# Allegro board parallella_layout.brd (continued)
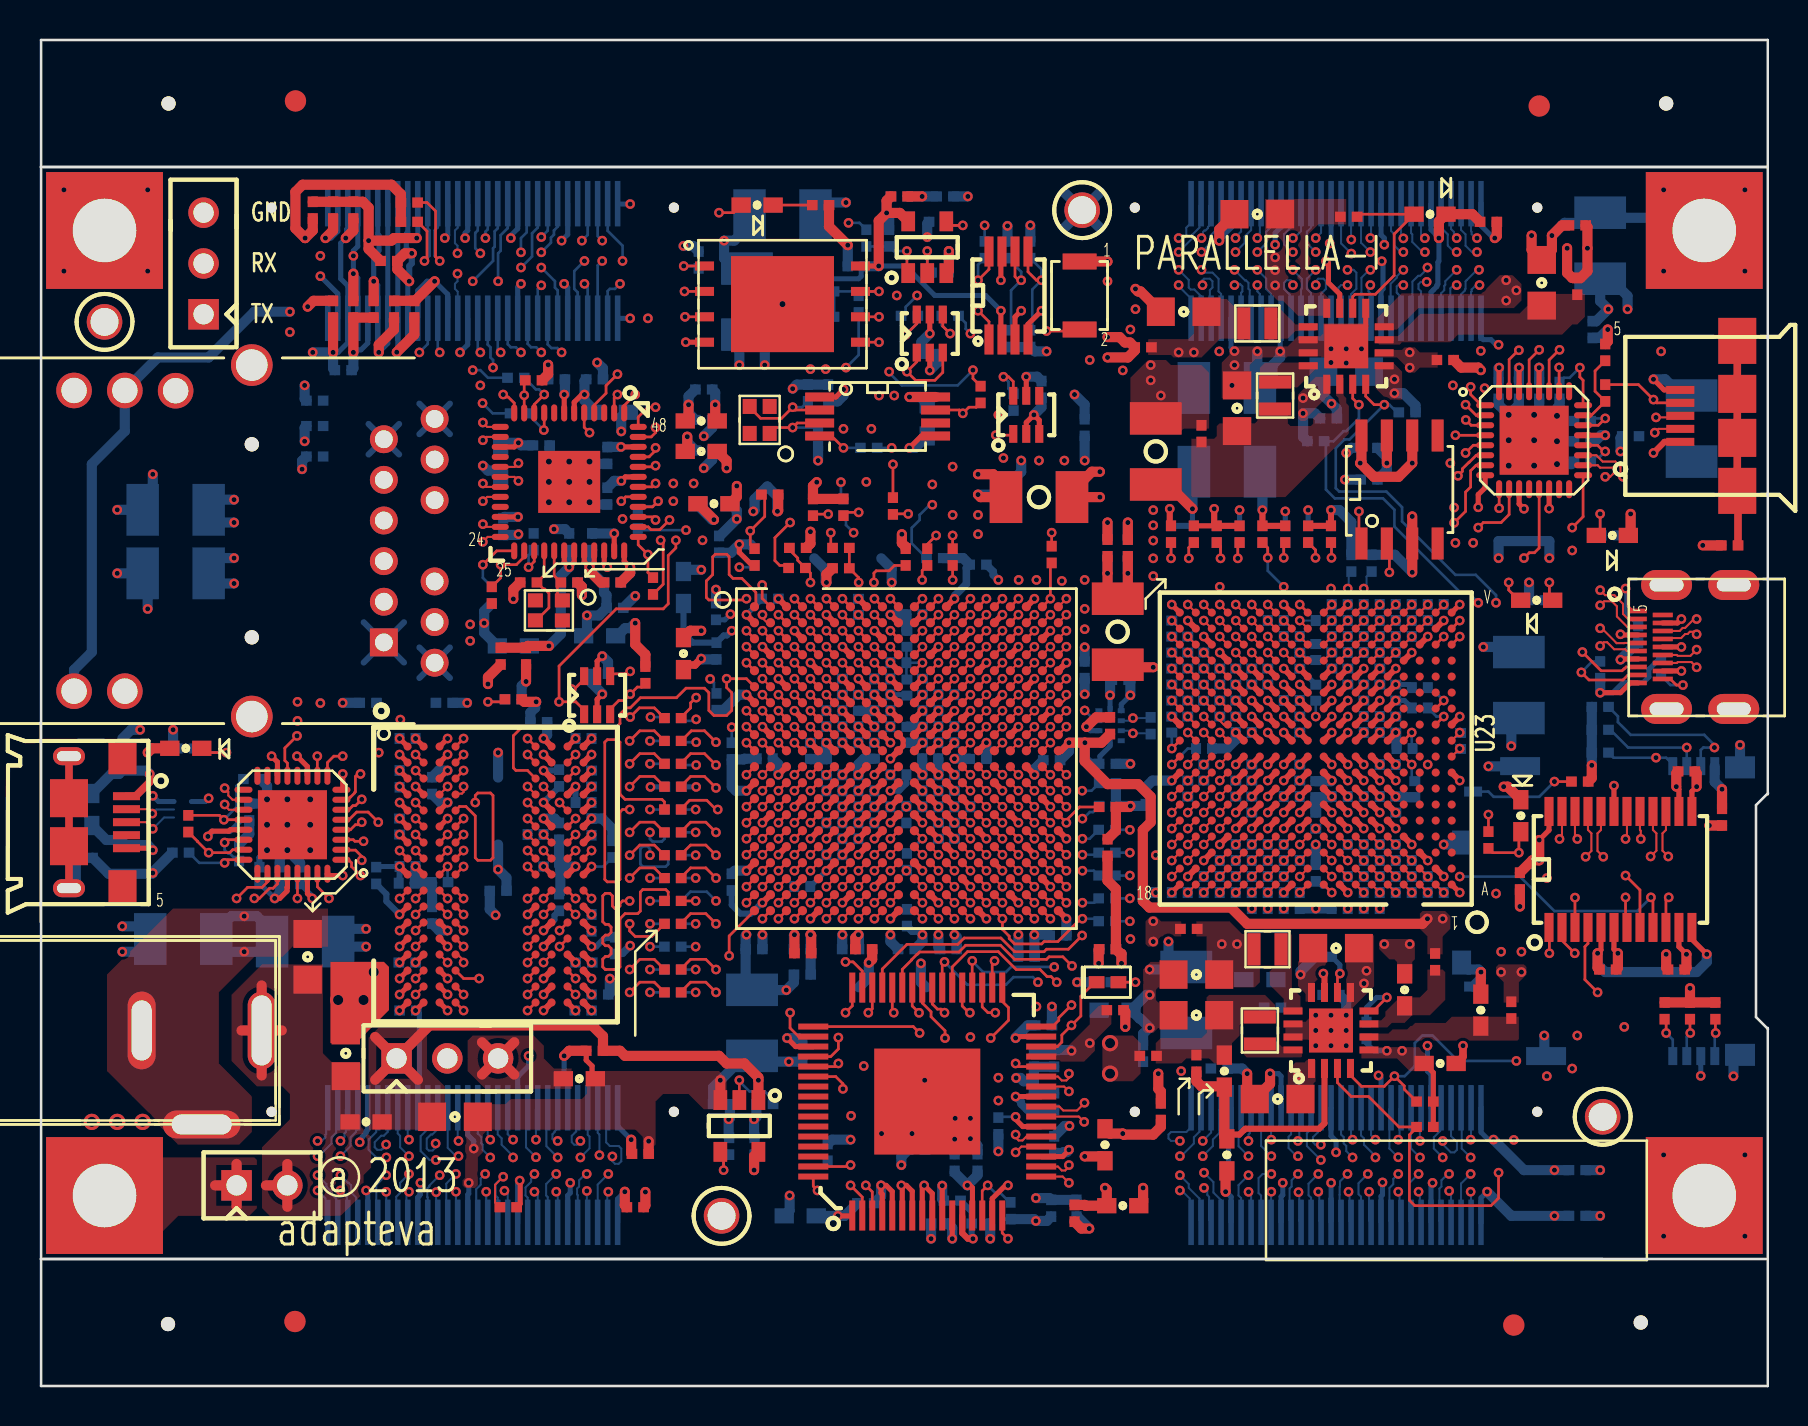
[diagram p0: board, top side]
## Routing (per net, layer and track width the routed paths; a pad name or vN(x,y) marks a point on that pad's centre or on a via; arc(x,y) is an arc through that point) (continued)
  BOTTOM w0.133: v1(29.01,55.12) 28.76,54.86 28.5,54.86 28.39,54.76 J13.3 ; v1(65.97,49.07) 65.97,48.39 65.33,47.75 65.2,47.75 64.7,47.24 R284.2 64.32,47.16 64.32,44.83 64.76,44.39 67.17,44.39 67.74,43.81 67.74,42.98 71.05,39.67 71.43,39.67 v1(71.94,39.17)
I2C_SDA: length 125.2
  TOP w0.133: U37.9 80.67,24.33 v1(80.57,24.43) ; v1(46.63,21.26) U26.36 ; U30.4 66.31,49.49 66.73,49.07 v1(67.24,49.07)
  L3_SIG w0.108: v1(50.73,20.95) 51.36,21.59 52.25,21.59 54.41,23.75 55.04,23.75 55.43,24.13 56.62,24.13 57,24.51 57,24.83 57.24,25.07 58.36,25.07 58.6,25.31 58.6,25.66 58.83,25.88 70.6,25.88 v1(71.01,25.48) ; v1(80.57,24.43) 79.81,25.2 79.81,25.78 79.17,26.42 79.17,26.8 76.38,29.59 75.62,29.59 75.32,29.89 75.32,31.07 76.47,32.22 76.47,34.58 72.82,38.23 v1(72.82,39.17)
  L5_SIG w0.108: v1(29.14,56.26) 29.9,55.5 35.11,55.5 35.61,56.01 40.95,56.01 41.38,56.44 42.34,56.44 42.53,56.25 43.23,56.25 43.47,56.01 44.25,56.01 44.76,55.5 46.41,55.5 46.66,55.75 49.2,55.75 49.58,55.37 49.58,55.12 49.84,54.86 50.85,54.86 50.98,54.74 53.65,54.74 54.28,55.37 55.04,55.37 55.43,54.99 55.43,54.61 57.33,52.7 62.28,52.7 64.57,50.42 65.89,50.42 v1(67.24,49.07)
  BOTTOM w0.133: J13.4 28.39,57.77 29.14,57.02 v1(29.14,56.26) ; v1(72.82,39.17) 72.82,39.55 71.81,40.56 70.79,40.56 68.13,43.23 68.13,43.94 67.34,44.73 64.98,44.73 64.81,44.9 64.81,46.9 65.24,47.33 65.5,47.33 v1(67.24,49.07) 67.49,49.07 67.87,48.69 R285.2 ; v1(80.57,24.43) 79.89,23.75 75.75,23.75 74.02,25.48 v1(71.01,25.48) ; v1(46.63,21.26) 46.63,21.25 47.17,20.7 48.31,20.7 48.57,20.95 v1(50.73,20.95)
JTAG_BOOT_EN: length 24.5
  L5_SIG w0.108: v1(40.31,50.93) 39.68,50.29 34.22,50.29 33.45,51.05 31.68,51.05 30.79,51.94 27.87,51.94 27.36,52.45 22.79,52.45 v1(22.02,51.69)
  BOTTOM w0.133: v1(22.02,51.69) 21.89,51.82 J13.29 ; v1(40.31,50.93) 40.95,51.56 R97.2
JTAG_TCK: length 39.9
  TOP w0.133: U2.F9 v1(41.73,35.37)
  L8_SIG w0.108: v1(41.33,45.21) 41.92,44.62 41.92,40.79 42.14,40.58 42.14,35.77 v1(41.73,35.37)
  L10_SIG w0.108: v1(41.33,45.21) 40.87,44.75 38.66,44.75 37.95,45.47 36.12,45.47 34.85,46.74 32.57,46.74 32.23,47.08 32.21,47.08 31.68,47.61 31.68,47.75 31.1,48.33 28.77,48.33 27.61,47.17 24.77,47.17 22.77,49.17 22.77,50.05 22.15,50.67 22.15,50.93 21.88,51.2 19.5,51.2 19.48,51.18 v1(18.98,51.69)
  BOTTOM w0.133: v1(18.98,51.69) 19.39,52.11 J13.39
JTAG_TDI: length 50.1
  TOP w0.133: U2.G6 v1(39.33,34.57) ; R9.1 19.36,59.18 19.79,58.75 19.79,56.47 v1(19.99,56.26)
  L5_SIG w0.108: v1(21.52,37.26) 22.41,37.26 22.91,37.77 29.59,37.77 29.61,37.75 30.39,37.75 30.8,38.17 37.1,38.17 37.34,37.93 37.34,37.61 37.57,37.37 37.92,37.37 38.14,37.15 38.14,36.01 38.37,35.77 38.69,35.77 38.93,35.53 38.93,34.97 v1(39.33,34.57)
  L8_SIG w0.108: v1(19.99,56.26) 20.25,56.01 20.25,55.12 20.5,54.86 20.5,50.16 21.25,49.42 21.25,48.26 21.77,47.74 22.72,47.74 23.17,47.29 23.17,41.76 22.64,41.24 22.64,40.91 22.66,40.89 22.66,37.71 22.21,37.26 v1(21.52,37.26)
  BOTTOM w0.133: J13.38 19.89,57.94 19.74,57.78 19.74,56.52 v1(19.99,56.26)
JTAG_TDO: length 48.2
  TOP w0.133: v1(19.23,56.26) 19.36,56.39 19.36,57.75 R10.1 ; U2.F6 v1(39.33,35.37)
  L5_SIG w0.108: v1(39.33,35.37) 39.33,35.45 38.93,35.85 38.93,37.13 38.69,37.37 38.37,37.37 38.13,37.61 38.13,37.93 37.89,38.17 37.57,38.17 37.34,38.41 37.34,38.73 37.1,38.97 34.72,38.97 34.7,38.99 34.37,38.99 34.34,38.97 31.29,38.97 31.08,39.18 30.75,39.18 30.53,38.97 29.19,38.97 28.36,38.13 22.77,38.13 22.34,37.71 21.9,37.71 v1(21.52,38.09)
  L8_SIG w0.108: v1(21.52,38.09) 21.52,41.39 21.77,41.64 22.41,41.64 22.79,42.02 22.79,46.41 22.47,46.72 21.64,46.72 21.01,47.36 21.01,49.02 19.48,50.55 19.48,54.1 19.23,54.36 v1(19.23,56.26)
  BOTTOM w0.133: J13.40 19.39,57.88 19.48,57.78 19.48,56.52 v1(19.23,56.26)
JTAG_TMS: length 45.7
  TOP w0.133: U2.J6 v1(39.33,32.97)
  L8_SIG w0.108: v1(39.33,32.97) 39.74,32.57 41.78,32.57 41.78,32.57 41.9,32.57 42.13,32.81 42.13,34.74 41.9,34.97 41.57,34.97 41.34,35.21 41.34,35.53 41.33,35.54 41.33,36.33 41.09,36.57 40.77,36.57 40.54,36.81 40.54,37.13 40.3,37.37 39.97,37.37 39.74,37.61 39.74,40.64 39.74,40.64 39.04,41.34 39.04,42.93 38.03,43.94 38.03,45.72 38.41,46.1 38.41,46.99 38.53,47.12 v1(38.53,50.85)
  L10_SIG w0.108: v1(38.53,50.85) 37.31,52.07 33.07,52.07 32.69,51.69 31.3,51.69 30.84,52.14 28.68,52.14 28.37,52.45 20.75,52.45 v1(19.99,51.69)
  BOTTOM w0.133: v1(19.99,51.69) 19.89,51.79 J13.37
MIO_VREF_501: length 3
  TOP w0.133: U2.E11 v1(44.14,36.17)
  BOTTOM w0.133: C23.1 43.34,35.35 R63.1 ; v1(44.14,36.17) R63.1 ; R63.1 43.34,36.94 R62.2
Net_63: length 0.6
  TOP w0.133: 70.61,37.08 v1(71.01,37.48)
Net_64: length 0.6
  TOP w0.133: 70.61,37.88 v1(71.01,38.28)
Net_76: length 0.6
  TOP w0.133: 69.81,37.08 v1(70.21,37.48)
Net_610: length 0.6
  TOP w0.133: 19.19,27.18 v1(18.79,27.58)
Net_611: length 0.6
  TOP w0.133: 26.39,26.38 26.39,26.38 v1(26.79,26.78)
Net_612: length 0.6
  TOP w0.133: 27.19,26.38 27.19,26.38 v1(27.59,26.78)
P0_USB_24M_REFCLK: length 56.8
  TOP w0.133: U12.26 v1(75.98,50.94)
  L3_SIG w0.108: v1(43.87,54.53) 45.01,53.39 45.01,45.72 45.39,45.34 45.77,45.34 47.42,46.99 50.09,46.99 50.98,47.88 50.98,51.56 54.16,54.74 54.16,56.52 55.68,58.04 72.95,58.04 73.59,57.4 73.59,56.01 75.62,53.98 75.62,52 75.6,51.98 75.6,51.31 v1(75.98,50.94)
  BOTTOM w0.133: R99.2 43.3,53.75 43.3,53.96 v1(43.87,54.53)
P0_USB_CLK: length 36.7
  TOP w0.133: U12.1 72.09,49.04 71.55,49.58 v1(71.55,49.96) ; U2.A11 v1(44.14,39.37)
  L5_SIG w0.108: v1(44.14,39.37) 44.14,39.37 44.57,39.8 44.57,40.75 45.52,41.71 46.98,41.71 49.47,44.2 49.47,46.55 51.18,48.26 58.9,48.26 59.62,47.55 63.49,47.55 64.19,48.25 67.86,48.25 70.16,50.55 70.97,50.55 v1(71.55,49.96)
P0_USB_CPEN: length 17.6
  TOP w0.133: U13.1 65.97,42.26 v1(65.97,43.74) ; U12.17 77.18,43.47 v1(76.63,42.93)
  L5_SIG w0.108: v1(76.63,42.93) 75.87,42.16 75.11,42.16 74.73,41.78 74.73,41.15 74.48,40.89 72.44,40.89 72.27,41.07 68.81,41.07 68.8,41.09 68.62,41.09 v1(65.97,43.74)
P0_USB_D0: length 37.9
  TOP w0.133: v1(71.31,48.31) 71.58,48.04 U12.3 ; U2.A14 v1(46.54,39.37)
  L5_SIG w0.108: v1(46.54,39.37) 46.47,39.43 46.47,40.43 46.75,40.71 47.4,40.71 47.64,40.94 48.13,40.94 50.74,43.55 50.74,43.57 51.74,44.58 51.74,45.09 52.91,46.25 53.61,46.25 53.99,46.64 58.11,46.64 58.6,46.15 64.17,46.15 65.08,47.06 68.49,47.06 69.4,46.15 69.4,45.71 70.35,44.75 71.81,44.75 72.7,45.64 72.7,48.06 72.44,48.31 v1(71.31,48.31)
P0_USB_D1: length 38.2
  TOP w0.133: v1(70.79,47.54) U12.4 ; U2.D15 v1(47.34,36.97)
  L5_SIG w0.108: v1(47.34,36.97) 47.74,37.37 48.3,37.37 48.54,37.61 48.54,37.93 48.78,38.17 49.1,38.17 49.34,38.41 49.34,39.56 49.58,39.8 49.89,39.8 50.23,40.15 50.23,40.58 50.68,41.02 51.18,41.02 52.83,42.67 53.65,42.67 53.9,42.93 53.9,43.74 55.11,44.95 64.7,44.95 64.92,44.72 66.76,44.72 68.76,42.72 71.12,42.72 v1(71.68,42.16)
  L8_SIG w0.108: v1(71.68,42.16) 71.43,42.42 71.43,45.9 70.79,46.53 v1(70.79,47.54)
P0_USB_D2: length 34.9
  TOP w0.133: v1(71.3,46.66) 71.69,47.04 U12.5 ; U2.A12 v1(44.94,39.37)
  L5_SIG w0.108: v1(44.94,39.37) 44.94,40.68 45.65,41.39 47.04,41.39 47.52,41.87 47.71,41.87 50.47,44.63 50.47,46.91 51.44,47.88 58.65,47.88 59.36,47.17 63.62,47.17 64.44,47.99 69.78,47.99 70.73,47.04 70.92,47.04 v1(71.3,46.66)
P0_USB_D3: length 39.6
  TOP w0.133: v1(70.92,45.52) 71.14,45.74 71.14,45.87 71.47,46.2 71.49,46.2 71.82,46.53 72.27,46.53 U12.6 ; U2.F12 v1(44.94,35.37)
  L5_SIG w0.108: v1(44.94,35.37) 45.34,35.77 45.34,39.78 45.25,39.87 45.25,40.61 45.76,41.13 47.16,41.13 47.48,41.45 47.74,41.45 50.84,44.55 50.84,46.64 51.69,47.5 58.4,47.5 59.04,46.85 63.74,46.85 64.57,47.68 69.52,47.68 70.65,46.55 70.7,46.55 70.94,46.32 70.94,45.99 70.92,45.97 v1(70.92,45.52)
P0_USB_D4: length 32.7
  TOP w0.133: U2.C16 v1(48.14,37.77) ; U12.7 71.83,46.04 71.55,45.77 71.55,44.96 71.3,44.7 71.3,43.74 v1(70.73,43.17)
  L5_SIG w0.108: v1(70.73,43.17) 69.65,43.17 68.89,43.93 68.06,43.93 67.06,44.93 65.03,44.93 64.7,45.26 54.92,45.26 53.34,43.69 52.25,43.69 51.87,43.31 51.87,42.21 50.93,41.27 50.04,41.27 49.35,40.58 49.35,40.07 49.08,39.8 48.69,39.8 48.54,39.65 48.54,38.38 48.28,38.12 48.28,37.92 v1(48.14,37.77)
P0_USB_D5: length 45
  TOP w0.133: U2.A10 v1(42.53,39.37) ; U12.9 v1(72.98,43.89)
  L3_SIG w0.108: v1(72.25,49.9) 72.98,49.17 v1(72.98,43.89)
  L5_SIG w0.108: v1(42.53,39.37) 44.4,41.24 44.6,41.24 45.46,42.09 46.98,42.09 48.58,43.69 48.58,46.42 50.8,48.64 59.03,48.64 59.74,47.93 63.43,47.93 64.06,48.56 67.62,48.56 70.11,51.05 71.1,51.05 v1(72.25,49.9)
P0_USB_D6: length 39
  TOP w0.133: v1(71.94,42.93) 72.19,43.18 73.08,43.18 73.48,43.58 U12.10 ; U2.E13 v1(45.74,36.17)
  L5_SIG w0.108: v1(45.74,36.17) 46.14,36.57 46.7,36.57 46.94,36.81 46.94,39.57 47.42,40.06 47.42,40.44 47.68,40.69 47.75,40.69 47.77,40.71 48.33,40.71 49.53,41.91 50.47,41.91 51.11,42.55 51.11,43.43 52.12,44.45 52.12,44.96 52.38,45.21 53.9,45.21 54.57,45.88 64.43,45.88 64.7,46.15 65.39,46.15 65.84,46.6 67.62,46.6 67.97,46.25 67.97,45.68 68.82,44.82 69.4,44.82 69.84,44.37 71.05,44.37 71.43,43.99 71.43,43.43 v1(71.94,42.93)
P0_USB_D7: length 35.4
  TOP w0.133: v1(74.22,41.4) 74.49,41.67 74.74,41.67 74.98,41.9 U12.13 ; U2.C18 v1(49.74,37.77)
  L5_SIG w0.108: v1(49.74,37.77) 49.93,37.96 49.99,37.96 50.2,38.17 50.7,38.17 50.93,38.41 50.93,38.73 51.17,38.97 51.54,38.97 51.74,39.17 51.74,40.56 52.83,41.66 54.79,41.66 55.17,42.04 55.17,43.99 55.48,44.3 64.71,44.3 64.82,44.18 66.28,44.18 68.95,41.52 72.05,41.52 72.57,42.04 73.59,42.04 v1(74.22,41.4)
P0_USB_DIR: length 46.5
  TOP w0.133: U12.31 73.48,51.33 73.95,51.8 v1(73.97,51.8) ; U2.C13 v1(45.74,37.77)
  L3_SIG w0.108: v1(73.97,51.8) 73.73,51.56 72.7,51.56 72.44,51.31 71.68,51.31 71.3,50.93 71.3,50.67 v1(70.67,50.04)
  L5_SIG w0.108: v1(45.74,37.77) 45.74,38.01 46.14,38.41 46.14,40.55 46.51,40.92 47.31,40.92 47.63,41.24 47.97,41.24 51.36,44.63 51.36,45.59 51.74,45.97 51.74,46.53 52.33,47.12 58.27,47.12 58.92,46.47 63.93,46.47 64.82,47.36 68.95,47.36 70.03,46.28 70.03,45.58 70.54,45.07 71.36,45.07 71.94,45.64 71.94,47.04 70.79,48.18 70.79,49.91 v1(70.67,50.04)
P0_USB_DN: length 8.3
  TOP w0.102: v1(79.17,45.47) 79.05,45.59 79.05,45.97 78.79,46.23 78.16,46.23 77.84,46.54 U12.19 ; J6.2 80.95,47.86 v1(80.76,47.68)
  L3_SIG w0.095: v1(79.17,45.47) 78.9,45.47 78.72,45.65 78.72,45.91 78.85,46.04 79.41,46.04 80.12,46.75 80.12,47.68 80.32,47.88 80.49,47.88 80.7,47.68 v1(80.76,47.68)
P0_USB_DP: length 8.2
  TOP w0.102: v1(80.83,48.44) 81.96,48.44 J6.3 ; v1(78.29,45.47) 78.53,45.47 78.72,45.65 78.72,45.87 78.67,45.92 78.03,45.92 77.91,46.04 U12.18
  L3_SIG w0.095: v1(80.83,48.44) 80.44,48.44 79.82,47.81 79.82,46.88 79.29,46.35 78.67,46.35 78.41,46.09 78.41,45.59 v1(78.29,45.47)
P0_USB_FLAG: length 8.9
  TOP w0.133: 67.36,42.13 67.49,42 v1(67.49,40.69) ; CR5.1 73.97,39.29 73.46,39.8 v1(73.46,40.18)
  L5_SIG w0.108: v1(73.46,40.18) 68,40.18 v1(67.49,40.69)
P0_USB_ID: length 4.1
  TOP w0.133: R85.2 79.95,50.08 v1(80.7,49.33) 80.86,49.16 J6.4
P0_USB_NXT: length 39.9
  TOP w0.133: U2.E16 v1(48.14,36.17) ; U12.2 71.83,48.54 v1(71.3,49.07)
  L3_SIG w0.108: v1(71.3,49.07) 71.81,48.56 71.81,46.35 71.6,46.15 v1(70.54,46.15)
  L5_SIG w0.108: v1(48.14,36.17) 48.54,36.57 49.1,36.57 49.34,36.81 49.34,37.93 49.58,38.17 49.9,38.17 50.14,38.41 50.14,39.6 50.6,40.06 50.6,40.39 50.98,40.77 51.44,40.77 52.83,42.16 54.28,42.16 54.86,42.74 54.86,44.19 55.3,44.63 64.7,44.63 64.89,44.44 66.54,44.44 68.81,42.16 v1(70.79,42.16)
  L8_SIG w0.108: v1(70.54,46.15) 70.33,45.95 70.33,42.62 v1(70.79,42.16)
P0_USB_STP: length 41.9
  TOP w0.133: v1(74.98,51.82) 74.48,51.31 U12.29 ; U2.C15 v1(47.34,37.77)
  L5_SIG w0.108: v1(47.34,37.77) 47.74,38.17 47.74,39.61 47.93,39.8 48.06,39.8 48.33,40.07 48.33,40.33 49.66,41.66 50.68,41.66 51.49,42.47 51.49,43.31 52.5,44.32 52.5,44.7 52.76,44.96 54.16,44.96 54.78,45.58 64.62,45.58 64.87,45.83 65.59,45.83 65.84,45.58 67.05,45.58 68.38,44.25 69.2,44.25 69.52,43.93 v1(70.73,43.93)
  L10_SIG w0.108: v1(70.73,43.93) 72.76,45.96 72.76,48.95 73.46,49.64 73.78,49.64 74.48,50.34 74.48,51.31 v1(74.98,51.82)
P0_VBUS: length 7.5
  TOP w0.305: v1(80.7,46.66) 81.25,47.21 J6.1
  TOP w0.508: U13.8 66.09,46.22 v1(66.03,46.15) 66.72,45.47 67.95,45.47 v1(68.63,46.15) U13.6
P1_USB_24M_REFCLK: length 62.9
  TOP w0.133: v1(9.83,24.38) 10.38,24.94 11.1,24.94 11.38,25.21 U17.26
  L3_SIG w0.108: v1(30.41,53.39) 30.41,51.23 29.26,50.09 28.56,50.09 27.23,48.76 24.55,48.76 22.79,46.99 22.79,41.91 22.55,41.67 22.55,39.89 21.33,38.67 21.33,38.66 20.94,38.28 20.94,37.58 20.5,37.13 19.04,37.13 17.2,35.29 12.82,35.29 12.41,34.89 12.41,31.47 10.72,29.78 10.72,25.27 v1(9.83,24.38)
  L5_SIG w0.108: v1(46.54,52.63) 46.14,53.03 41.07,53.03 41.01,52.96 32.82,52.96 32.71,53.07 31.82,53.07 31.5,53.39 v1(30.41,53.39)
  BOTTOM w0.133: v1(46.54,52.63) 46.3,52.86 46.3,53.16 R110.2
P1_USB_CLK: length 47.6
  TOP w0.133: U17.1 15.43,26.32 15.59,26.16 15.59,25.97 v1(16.03,25.53) ; U2.B12 v1(44.94,38.57)
  L8_SIG w0.108: v1(16.03,25.53) 16.88,26.38 18.15,26.38 18.38,26.61 18.38,26.94 18.15,27.17 17.71,27.17 17.33,27.56 17.33,28.83 16.94,29.21 16.94,30.66 14.02,33.58 v1(14.02,34.15)
  L10_SIG w0.108: v1(14.02,34.15) 14.43,34.56 20.53,34.56 21.96,35.99 27.61,35.99 28.26,35.34 29.76,35.34 31.78,37.37 42.94,37.37 43.74,38.17 44.47,38.17 44.68,38.38 44.74,38.38 v1(44.94,38.57)
P1_USB_D0: length 37.2
  TOP w0.133: v1(16.18,27.24) 15.75,27.24 15.67,27.32 U17.3 ; U2.F13 v1(45.74,35.37)
  L10_SIG w0.108: v1(16.18,27.24) 15.69,27.74 15.67,27.74 15.67,28.5 16.04,28.86 17.11,28.86 17.82,29.58 19.29,29.58 20.1,30.38 27.87,30.38 28.2,30.72 32.59,30.72 32.65,30.65 34.39,30.65 35.09,31.35 35.67,31.35 35.67,31.36 41.96,31.36 42.38,31.77 43.33,31.77 43.68,32.12 43.68,33.11 43.93,33.37 44.29,33.37 44.53,33.61 44.53,33.93 44.78,34.17 45.1,34.17 45.33,34.41 45.33,34.73 45.74,35.13 v1(45.74,35.37)
P1_USB_D1: length 40.3
  TOP w0.133: U17.4 15.53,27.82 15.78,28.07 15.9,28.07 16.03,28.19 v1(16.09,28.19) ; U2.B15 v1(47.34,38.57)
  L10_SIG w0.108: v1(47.34,38.57) 46.93,38.17 46.93,36.81 46.7,36.57 46.38,36.57 46.13,36.33 46.13,34.41 45.89,34.17 45.57,34.17 45.33,33.93 45.33,33.61 45.09,33.37 44.77,33.37 44.53,33.13 44.53,31.96 44.06,31.48 43.49,31.48 42.98,30.97 42.37,30.97 42.37,30.98 35.17,30.98 34.56,30.37 28.77,30.37 27.98,29.58 20.22,29.58 20.16,29.52 20.16,29.51 19.99,29.34 19.99,29.01 19.76,28.78 17.32,28.78 17.2,28.65 16.55,28.65 v1(16.09,28.19)
P1_USB_D2: length 39.9
  TOP w0.133: U2.D16 v1(48.14,36.97) ; v1(16.92,28.19) 16.41,28.7 15.84,28.7 15.45,28.32 U17.5
  L10_SIG w0.108: v1(48.14,36.97) 47.94,36.78 47.88,36.78 47.68,36.57 47.18,36.57 46.94,36.33 46.94,34.41 46.7,34.17 46.37,34.17 46.14,33.93 46.14,33.61 45.9,33.37 45.57,33.37 45.34,33.13 45.34,32 44.31,30.98 43.74,30.98 42.93,30.17 35.17,30.17 34.47,29.46 32.57,29.46 32.47,29.56 28.73,29.56 27.94,28.78 20.22,28.78 19.99,28.54 19.99,28.49 19.48,27.98 17.13,27.98 v1(16.92,28.19)
P1_USB_D3: length 39.4
  TOP w0.133: U2.B14 v1(46.54,38.57) ; v1(16.09,29.34) 15.78,29.02 15.65,29.02 15.45,28.82 U17.6
  L3_SIG w0.108: v1(16.09,29.34) 15.74,29.34 15.61,29.46 15.61,31.55 15.74,31.67 v1(16.94,31.67)
  L10_SIG w0.108: v1(16.94,31.67) 17.25,31.98 19.41,31.98 20.25,32.82 32.52,32.82 32.54,32.79 33.89,32.79 34.46,33.37 41.9,33.37 42.14,33.61 42.14,33.93 42.38,34.17 42.7,34.17 42.93,34.41 42.93,34.42 43.55,35.04 43.55,35.39 43.93,35.77 44.29,35.77 44.53,36.01 44.53,36.33 44.77,36.57 45.09,36.57 45.33,36.81 45.33,37.13 45.57,37.37 45.89,37.37 46.13,37.61 46.13,37.93 46.54,38.33 v1(46.54,38.57)
P1_USB_D4: length 37.2
  TOP w0.133: U2.D14 v1(46.54,36.97) ; v1(16.03,30.61) 15.9,30.61 15.78,30.48 15.78,29.72 15.75,29.69 15.75,29.66 15.53,29.45 15.51,29.45 15.37,29.32 U17.7
  L10_SIG w0.108: v1(16.03,30.61) 16.26,30.38 19.33,30.38 20.13,31.18 27.99,31.18 28.36,31.55 34.53,31.55 34.72,31.74 41.87,31.74 42.14,32.01 42.14,32.33 42.37,32.57 42.86,32.57 43.3,33.01 43.3,33.49 43.97,34.17 44.29,34.17 44.53,34.41 44.53,34.75 44.75,34.97 45.1,34.97 45.33,35.21 45.33,36.33 45.57,36.57 45.89,36.57 46.3,36.97 v1(46.54,36.97)
P1_USB_D5: length 36.5
  TOP w0.133: U2.C12 v1(44.94,37.77) ; U17.9 14.38,31.18 14.7,31.5 v1(15.14,31.5)
  L10_SIG w0.108: v1(15.14,31.5) 17.41,33.77 18.47,33.77 18.6,33.64 21.64,33.64 21.83,33.83 21.83,34.47 21.98,34.61 22.77,34.61 23.96,33.42 28.28,33.42 28.71,33.85 30.23,33.85 31.23,34.85 34.66,34.85 34.78,34.97 42.7,34.97 42.93,35.21 42.93,35.53 43.93,36.53 43.93,36.57 44.29,36.57 44.53,36.81 44.53,37.13 44.78,37.37 44.78,37.61 v1(44.94,37.77)
P1_USB_D6: length 38.3
  TOP w0.133: U2.B13 v1(45.74,38.57) ; U17.10 13.87,30.52 v1(13.87,31.5)
  L10_SIG w0.108: v1(45.74,38.57) 45.33,38.17 44.77,38.17 44.53,37.93 44.53,37.61 44.29,37.37 43.93,37.37 43.42,36.86 43.42,36.82 42.93,36.32 42.93,36.01 42.7,35.77 31.52,35.77 29.95,34.2 27.61,34.2 27.23,33.82 25.66,33.82 25.39,34.09 25.39,34.4 25.07,34.72 23.87,34.72 23.09,35.5 22.04,35.5 20.63,34.09 16.94,34.09 14.35,31.5 v1(13.87,31.5)
P1_USB_D7: length 38.6
  TOP w0.133: U17.13 12.38,31.15 12.25,31.28 12.25,31.9 v1(12.85,32.51) ; U2.B9 v1(41.73,38.57)
  L5_SIG w0.108: v1(41.73,38.57) 41.33,38.97 39.16,38.97 38.93,39.21 38.93,39.53 38.7,39.77 38.32,39.77 37.39,40.69 35.98,40.69 34.84,39.55 34.09,39.55 33.97,39.43 33.65,39.43 33.53,39.55 30.64,39.55 30.26,39.93 29.39,39.93 29.01,39.55 28.37,39.55 27.87,39.04 27.1,39.04 26.6,38.53 22.39,38.53 22.38,38.55 21.34,38.55 21.07,38.28 21.07,34.91 18.98,32.82 16.82,32.82 16.51,32.51 v1(12.85,32.51)
P1_USB_DIR: length 45.7
  TOP w0.133: U2.C17 v1(48.94,37.77) ; U17.31 13.88,24.96 v1(14.45,24.38)
  L10_SIG w0.108: v1(48.94,37.77) 48.53,37.37 48.53,36.75 48.35,36.57 47.97,36.57 47.73,36.33 47.73,34.41 47.5,34.17 47.18,34.17 46.94,33.93 46.94,33.61 46.7,33.37 46.38,33.37 46.14,33.13 46.14,32.01 45.9,31.77 45.58,31.77 44.54,30.73 44.54,30.41 44.3,30.17 43.98,30.17 43.17,29.37 35.17,29.37 35.03,29.23 32.42,29.23 32.36,29.29 29.3,29.29 27.99,27.98 20.11,27.98 19.74,27.61 19.74,25.83 18.85,24.94 15.01,24.94 v1(14.45,24.38)
P1_USB_DN: length 12.4
  TOP w0.102: v1(9.24,29.08) 9.24,29.03 9.45,28.82 U17.19 ; v1(5.62,28.63) 5.4,28.84 J7.2
  L10_SIG w0.095: v1(9.24,29.08) 9.31,29.16 10.16,29.16 10.47,29.46 10.47,30.33 10.09,30.71 7.8,30.71 6.91,29.82 6.91,29.01 6.28,28.37 5.87,28.37 v1(5.62,28.63)
  BOTTOM w0.102: 6.7,28.83 5.82,28.83 v1(5.62,28.63)
P1_USB_DP: length 12.1
  TOP w0.102: J7.3 5.31,28.19 v1(5.64,27.86) ; U17.18 9.63,29.32 9.42,29.53 9.42,29.71 v1(9.24,29.9)
  L10_SIG w0.095: v1(9.24,29.9) 9.24,29.59 9.36,29.46 10.04,29.46 10.16,29.59 10.16,30.2 9.96,30.4 7.93,30.4 7.22,29.69 7.22,28.88 6.4,28.07 5.84,28.07 v1(5.64,27.86)
  BOTTOM w0.102: v1(5.64,27.86) 6.21,28.43 6.7,28.43
P1_USB_NXT: length 42.1
  TOP w0.133: U17.2 15.1,26.8 15.78,26.8 16.09,26.48 v1(16.09,26.29) ; U2.A9 v1(41.73,39.37)
  L3_SIG w0.108: v1(16.09,26.29) 14.59,27.79 14.59,32.32 15,32.73 17.43,32.73 v1(18.02,33.32)
  L5_SIG w0.108: v1(18.02,33.32) 18.79,34.09 19.55,34.09 20.69,35.23 20.69,38.4 21.2,38.91 25.07,38.91 26.28,40.12 28.56,40.12 28.82,40.37 30.79,40.37 31.04,40.12 33.33,40.12 33.52,40.31 34.98,40.31 35.74,41.07 39.17,41.07 40.47,39.77 41.34,39.77 v1(41.73,39.37)
P1_USB_STP: length 42
  TOP w0.133: v1(12.88,24.38) U17.29 ; U2.E12 v1(44.94,36.17)
  L10_SIG w0.108: v1(44.94,36.17) 44.94,35.93 44.53,35.53 44.53,35.21 44.3,34.97 43.93,34.97 43.93,34.93 42.93,33.93 42.93,33.61 42.7,33.37 42.38,33.37 42.14,33.13 42.14,32.81 41.9,32.57 34.98,32.57 34.2,31.8 32.49,31.8 32.44,31.85 29.34,31.85 29.21,31.98 23.8,31.98 23.6,32.18 22.1,32.18 21.9,31.98 20.22,31.98 19.43,31.18 18.61,31.18 18.6,31.17 18.16,31.17 18.15,31.18 15.94,31.18 15.54,30.78 15.54,29.96 15.04,29.46 15.04,26.86 12.88,24.7 v1(12.88,24.38)
PB_RESET_L: length 23.9
  TOP w0.133: v1(50.35,52.76) 51.92,52.76 SW2.2 ; U34.1 47.46,53.22 v1(46.92,53.77)
  L5_SIG w0.108: v1(46.92,53.77) 47.93,52.76 v1(50.35,52.76)
  L8_SIG w0.108: v1(46.92,53.77) 43.61,53.77 v1(42.85,54.53) 42.47,54.15 42.47,53.26 42.22,53.01 41.07,53.01 39.78,51.71 39.78,45.48 v1(40.06,45.2)
  BOTTOM w0.133: v1(40.06,45.2) 40.06,44.49 R95.1
PHY_ACTIVITY: length 27.8
  L3_SIG w0.108: J5.13 8.65,39.15 8.65,40.09 9.32,40.77 10.26,40.77 15.29,45.8 15.29,48.01 17.06,49.77 20.64,49.77 21.26,49.15 v1(22.14,49.15)
  BOTTOM w0.133: R73.2 22.64,48.64 v1(22.14,49.15)
PHY_CNFG: length 1.7
  TOP w0.133: R74.1 24.22,50.24 v1(24.22,49.54) U9.11
PHY_LED0: length 2.5
  TOP w0.133: v1(25.22,49.58) 24.72,49.08 U9.10
  BOTTOM w0.133: v1(25.22,49.58) 24.97,49.83 24.81,49.83 R72.1
PHY_LED1: length 2.1
  TOP w0.133: v1(25.2,47.8) 25.22,47.82 U9.9
  BOTTOM w0.133: v1(25.2,47.8) 24.36,48.64 R73.1
PHY_LINK: length 23.4
  L3_SIG w0.108: v1(21.64,50.8) 21.01,50.8 20.5,50.29 14.86,50.29 14.02,49.45 8.82,49.45 7.8,48.44 3.05,48.44 J5.17
  BOTTOM w0.133: v1(21.64,50.8) 22.02,50.8 22.41,50.42 R72.2
PHY_MDI0N: length 9.4
  TOP w0.102: U9.23 22.29,42.96 v1(22.15,43.1)
  L5_SIG w0.095: J5.10 19.74,45.26 19.53,45.47 18.85,45.47 18.65,45.26 18.65,42.85 18.77,42.72 22.02,42.72 22.15,42.85 v1(22.15,43.1)
PHY_MDI0P: length 9.4
  TOP w0.102: v1(22.15,42.21) 22.15,42.22 22.39,42.46 U9.24
  L5_SIG w0.095: J5.11 19.18,45.77 18.72,45.77 18.34,45.39 18.34,42.72 18.65,42.42 21.95,42.42 v1(22.15,42.21)
PHY_MDI1N: length 8.4
  TOP w0.102: U9.19 22.32,44.96 v1(22.15,45.13)
  L8_SIG w0.095: J5.5 17.2,45.01 17.78,44.42 18.47,44.42 18.77,44.12 18.77,43.61 19.1,43.28 20.63,43.28 20.96,43.61 20.96,44.41 21.39,44.84 21.86,44.84 v1(22.15,45.13)
PHY_MDI1P: length 8.5
  TOP w0.102: U9.20 22.37,44.46 v1(22.15,44.25)
  L8_SIG w0.095: v1(22.15,44.25) 21.86,44.54 21.52,44.54 21.26,44.28 21.26,43.48 20.75,42.98 18.98,42.98 18.47,43.48 18.47,43.99 18.34,44.12 17.71,44.12 17.2,43.61 J5.4
PHY_MDI2N: length 14.3
  TOP w0.102: v1(23.93,46.15) 23.74,45.96 U9.17
  L5_SIG w0.095: v1(23.93,46.15) 24.22,45.86 24.53,45.86 24.87,45.52 24.87,44.88 24.44,44.45 23.93,44.45 23.34,43.87 23.34,42.37 22.44,41.46 19.29,41.46 18.77,40.95 18.77,39.93 18.34,39.5 17.48,39.5 J5.2
PHY_MDI2P: length 14.2
  TOP w0.102: v1(23.93,45.26) 23.73,45.46 U9.18
  L5_SIG w0.095: v1(23.93,45.26) 24.22,45.55 24.4,45.55 24.56,45.39 24.56,45.01 24.31,44.75 23.8,44.75 23.04,43.99 23.04,42.49 22.31,41.77 19.16,41.77 18.47,41.07 18.47,40.06 18.21,39.8 17.96,39.8 17.58,40.18 17.58,40.87 J5.3
PHY_MDI3N: length 12.1
  TOP w0.102: U9.13 22.37,47.96 v1(22.15,48.18)
  L3_SIG w0.095: v1(22.15,48.18) 21.86,47.89 21.43,47.89 20.96,47.42 20.96,39.55 20.75,39.34 20.45,39.34 19.74,40.06 J5.9
PHY_MDI3P: length 12.2
  TOP w0.102: v1(22.15,47.29) 22.32,47.46 U9.14
  L3_SIG w0.095: J5.8 19.74,38.66 20.12,39.04 20.88,39.04 21.26,39.42 21.26,47.29 21.55,47.58 21.86,47.58 v1(22.15,47.29)
PHY_RSET: length 3.1
  TOP w0.133: v1(22.15,41.07) 22.84,41.76 U9.25
  BOTTOM w0.133: R79.1 22.15,40.41 v1(22.15,41.07)
PROG_IO: length 99.7
  TOP w0.133: U2.N20 v1(51.34,28.97)
  L3_SIG w0.108: v1(27.23,56.26) 26.72,55.75 26.72,54.74 25.33,53.34 23.8,53.34 22.66,52.2 22.66,51.87 22.64,51.85 22.64,51.58 22.11,51.05 22.11,50.51 22.02,50.42 v1(22.02,50.04)
  L10_SIG w0.108: v1(51.34,28.97) 51.1,28.97 50.69,28.57 50.37,28.57 50.13,28.33 50.13,28 49.89,27.77 49.57,27.77 49.33,27.53 49.33,27.2 49.1,26.97 47.97,26.97 47.73,27.21 47.73,27.53 47.5,27.77 42.37,27.77 42.13,27.53 42.13,27.2 41.89,26.97 41.57,26.97 41.33,26.73 41.33,26.4 41.09,26.17 40.76,26.17 40.53,25.93 40.53,25.6 40.3,25.37 39.97,25.37 39.73,25.13 39.73,24.8 39.5,24.57 39.17,24.57 38.93,24.33 38.93,24 38.7,23.77 38.37,23.77 38.13,23.53 38.13,23.2 37.9,22.97 37.38,22.97 34.6,20.19 33.58,20.19 33.33,19.94 33.33,19.18 31.42,17.27 26.85,17.27 26.72,17.4 25.96,17.4 25.83,17.27 24.18,17.27 23.17,18.29 20.25,18.29 19.61,18.92 19.61,23.62 19.26,23.97 17.04,23.97 16.94,23.88 12.75,23.88 12.37,24.26 12.37,25.27 11.86,25.78 11.86,30.86 12.12,31.12 12.12,34.16 13.13,35.18 20.12,35.18 21.01,36.07 21.01,38.35 21.64,38.99 21.64,49.66 v1(22.02,50.04)
  BOTTOM w0.133: v1(27.23,56.26) 26.72,55.75 26.72,54.86 26.89,54.69 J13.9
PS_CLK33M: length 24.1
  TOP w0.133: v1(46.66,50.8) 46.66,50.38 R55.2 ; U2.E7 v1(40.13,36.17)
  L3_SIG w0.108: v1(42.47,50.72) 42.14,50.72 41.57,50.15 41.57,49.15 41.98,48.74 41.98,47.7 41.96,47.69 41.96,45.97 42.6,45.34 42.6,41.91 43,41.51 43,39.27 42.7,38.97 42.38,38.97 42.13,38.73 42.13,38.41 41.9,38.17 40.78,38.17 40.54,37.93 40.54,36.57 v1(40.13,36.17)
  BOTTOM w0.133: v1(42.47,50.72) 42.47,50.67 43.11,50.04 45.9,50.04 v1(46.66,50.8)
PS_I2C_SCL: length 62.5
  TOP w0.133: U37.2 76.12,22.28 v1(76.76,21.64) ; U2.N18 v1(49.74,28.97)
  L5_SIG w0.108: v1(76.76,21.64) 76.76,19.96 76,19.2 76,17.14 73.79,14.94 73.79,13.24 74.6,12.42 74.6,9.78 73.79,8.97 54.84,8.97 54.28,9.53 54.28,10.29 53.27,11.3 53.27,14.61 53.72,15.06 53.75,15.06 54.08,15.39 54.08,15.42 54.16,15.49 54.16,17.38 53.65,17.89 53.65,21.46 54.03,21.84 54.66,21.84 54.93,22.11 54.93,25.76 54.54,26.16 54.32,26.16 54.11,26.37 54.11,26.84 52.58,28.37 v1(52.14,28.37) 51.94,28.57 50.28,28.57 49.88,28.97 v1(49.74,28.97)
  BOTTOM w0.133: R20.2 52.67,28.7 52.5,28.7 52.17,28.37 v1(52.14,28.37)
